# Altium PCB Dash Board (1).PcbDoc (part 2 of 2)
Units mil, origin at the board's own origin, x right, y up, seen from the top; angles counter-clockwise.
Board outline 5620.27 x 3065.15 mil, 4 copper layers (Top Layer, GND, Power, Bottom Layer), stack 29.356 mil thick; 93 components, 67 nets, 344 pads, 149 vias.
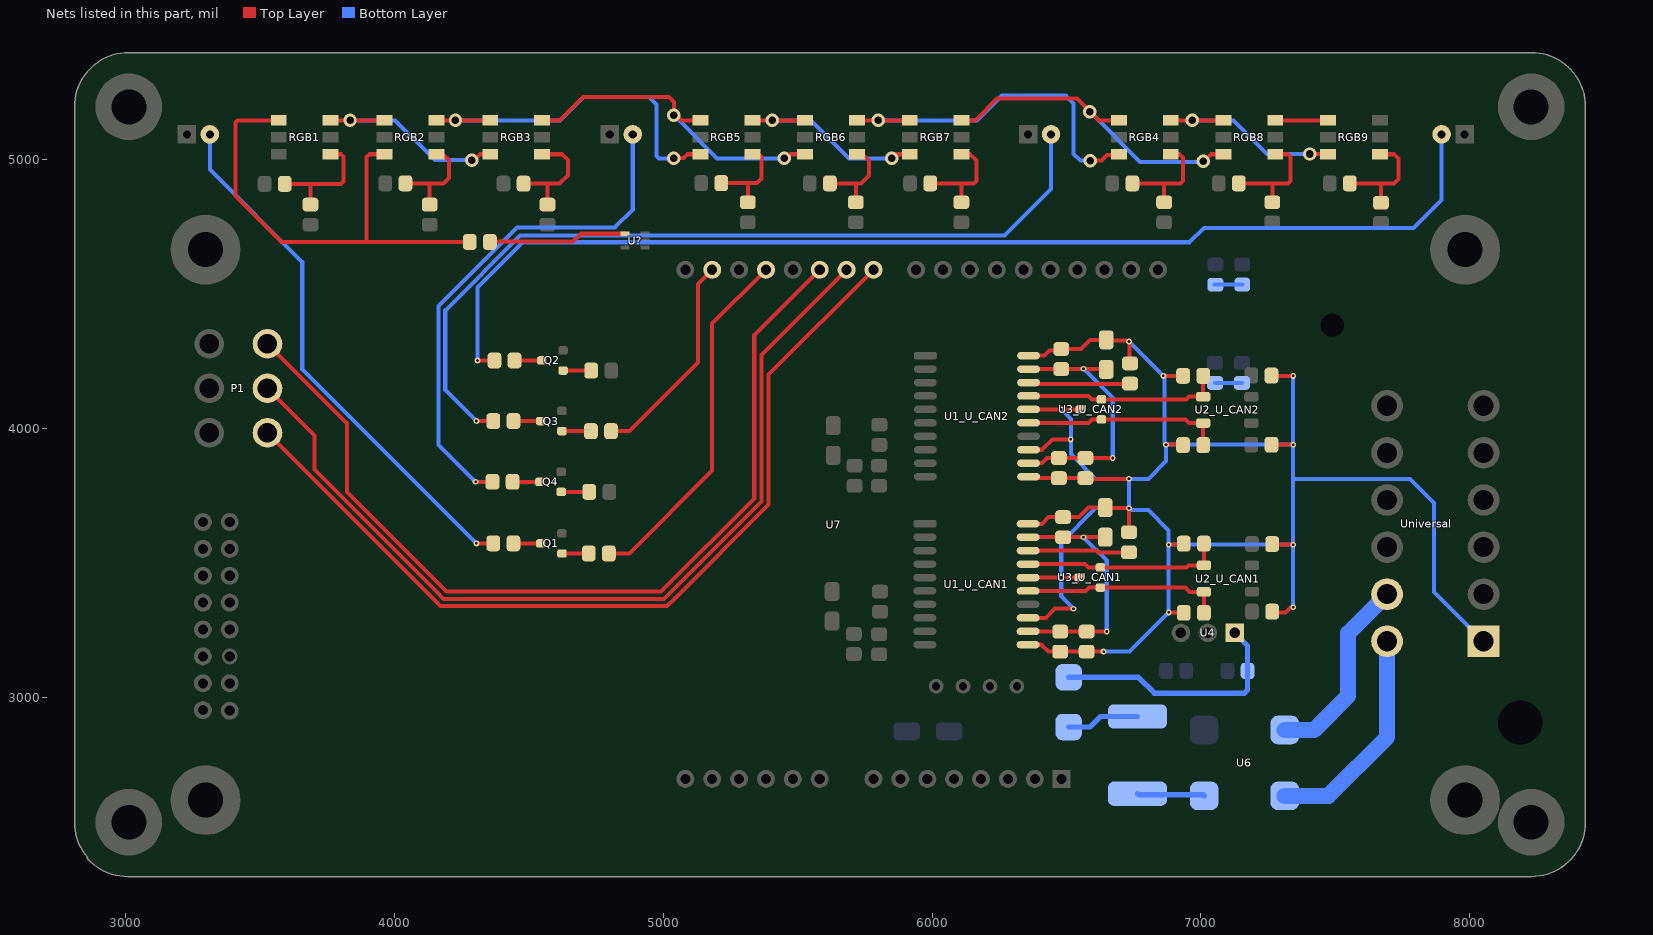
[diagram p4: the nets of this part, all layers, seen from the top]

## Via types
v1: diameter 21.65, hole 9.84, Top Layer to Bottom Layer, tented both sides, 103 vias
v2: diameter 50, hole 28, Top Layer to Bottom Layer, 46 vias

## Nets (pads, with @x,y where several pads share a name; then routed paths per layer and width w, separated by ;. In a path a pad name is that pad's centre, name@x,y a point inside that pad or via, vN(x,y) a via of type N, cw(c..) or ccw(c..) an arc to the next point about the centre after c; other vN are vias at no path point) (continued)
CANS: C3_U_CAN1.1 C3_U_CAN2.1 C4_U_CAN1.1 C4_U_CAN2.1 C5_U_CAN1.1 C5_U_CAN2.1 C6_U_CAN1.1 C6_U_CAN2.1 C9_U_CAN1.1 C9_U_CAN2.1 C10_U_CAN1.1 C10_U_CAN2.1 C11_U_CAN1.1 C11_U_CAN2.1 C12_U_CAN1.1 C12_U_CAN2.1 R1_U_CAN1.1 R1_U_CAN2.1 U1_U_CAN1.11 U1_U_CAN1.13 U1_U_CAN1.16 U1_U_CAN1.20 U1_U_CAN2.11 U1_U_CAN2.13 U1_U_CAN2.16 U1_U_CAN2.20 U3_U_CAN1.3 U3_U_CAN2.3 Universal.1 | length 8440
  Top Layer w15: U1_U_CAN1.13@6356.97,3295.8 6422.62,3295.8 6456.64,3329.82 v1(6525.59,3329.82) ; U1_U_CAN1.16@6356.97,3445.8 6357.05,3445.88 v1(6480.31,3445.88) 6547.16,3445.88 U3_U_CAN1.3@6547.24,3445.96 ; U1_U_CAN1.20@6356.97,3645.8 6408.5,3645.8 6433.3,3670.6 C3_U_CAN1.1@6487.35,3670.6 6547,3670.6 6582.44,3706.03 C4_U_CAN1.1@6643.7,3706.03 6644.8,3704.93 6731.18,3704.93 v1(6732.28,3703.84) R1_U_CAN1.1@6732.28,3614.36 ; U1_U_CAN1.11@6357.01,3195.8 6407.71,3195.8 6433.13,3170.37 6476.21,3170.37 C6_U_CAN1.1@6476.38,3170.21 ; U1_U_CAN2.11@6358.81,3821.15 6364.3,3815.66 C3_U_CAN2.1@6471.5,3815.66 C5_U_CAN2.1@6569.93,3815.66 6572.59,3813 v1(6732.28,3813) ; U1_U_CAN2.13@6358.78,3921.15 6408.84,3921.15 6447.43,3959.74 v1(6515.75,3959.74) ; U1_U_CAN2.16@6358.78,4071.15 v1(6480.31,4071.15) U3_U_CAN2.3@6551.18,4071.15 ; U1_U_CAN2.20@6358.78,4271.15 6417.87,4271.15 6437.07,4290.35 C6_U_CAN2.1@6474.72,4290.35 ; C6_U_CAN1.1@6469.57,3170.21 C6_U_CAN1.1@6476.38,3170.21 ; C6_U_CAN2.1@6480.31,4295.95 6553.54,4295.95 6587.51,4329.91 C4_U_CAN2.1@6647.64,4329.91 ; v1(6637.79,3170.21) C5_U_CAN1.1@6574.8,3170.21 C6_U_CAN1.1@6476.38,3170.21 ; C4_U_CAN2.1@6650.64,4326.91 6729.28,4326.91 v1(6732.28,4323.91) 6734.25,4321.95 6734.25,4244.19 R1_U_CAN2.1@6736.22,4242.22 ; v1(6860.24,4195.96) 6860.29,4196.02 6933.45,4196.02 C12_U_CAN2.1@6933.51,4196.08 ; v1(6870.08,3940.06) 6932.13,3940.06 C11_U_CAN2.1@6933.51,3938.68 ; v1(6879.92,3316.04) 6934.83,3316.04 C11_U_CAN1.1@6936.06,3314.81 ; v1(6879.92,3568.07) 6932,3568.07 C12_U_CAN1.1@6936.06,3572.13 ; C9_U_CAN2.1@7260.83,4204.02 C9_U_CAN2.1@7264.76,4200.09 ; C10_U_CAN2.1@7262.24,3939.92 7262.31,3939.99 7332.61,3939.99 v1@7332.68,3940.06 ; C9_U_CAN2.1@7262.24,4197.31 7263.9,4195.65 7332.37,4195.65 v1@7332.68,4195.96 ; C10_U_CAN1.1@7264.79,3318.88 7267.63,3316.04 7314.57,3316.04 7333.53,3335 v1(7343,3335) ; C9_U_CAN1.1@7264.79,3570.36 7266.95,3568.2 7332.55,3568.2 v1@7332.68,3568.07
  Bottom Layer w15: v1(6480.31,4071.15) 6515.75,4035.72 v1(6515.75,3959.74) 6515.75,3905.25 6608,3813 v1(6732.28,3813) ; v1(6525.59,3329.82) 6480.31,3375.1 v1(6480.31,3445.88) 6480.31,3575.56 6608.59,3703.84 v1(6732.28,3703.84) ; v1(6637.79,3170.21) 6734.09,3170.21 v1(6879.92,3316.04) v1(6879.92,3568.07) ; v1(6732.28,4323.91) v1(6860.24,4195.96) 6865.16,4191.04 6865.16,3944.98 v1(6870.08,3940.06) ; v1@7332.68,3940.06 v1(6870.08,3940.06) ; v1(7343,3335) v1(7343,3568.07) ; v1(7343,4195.96) v1(7343,3940.06) 7343,3813 ; Universal.1@8051.18,3208.66 7867,3392.84 7867,3723 7777,3813 7343,3813 ; v1(6732.28,3703.84) 6738.98,3697.14 6804,3697.14 6879.92,3621.22 v1(6879.92,3568.07) ; v1(6732.28,3703.84) v1(6732.28,3813) ; v1(6732.28,3813) 6804,3813 6870.08,3879.08 v1(6870.08,3940.06) ; v1(6879.92,3568.07) v1(7343,3568.07) ; v1(7343,3568.07) 7343,3813
"Enc Button": P1.4 U7.27 | length 3437.3
  Top Layer w15: P1.4@3527.56,4314.96 3822.83,4019.69 3822.83,3764.81 4194.23,3393.42 4992.32,3393.42 5338.38,3739.47 5338.38,4347.14 U7.27@5581.91,4590.68
"Enc Channel A": P1.6 U7.25 | length 3322.7
  Top Layer w15: P1.6@3527.56,3984.25 4172.02,3339.79 5014.53,3339.79 5041.63,3366.89 5392,3717.26 5392,4200.76 U7.25@5781.91,4590.68
"Enc Channel B": P1.5 U7.26 | length 3380
  Top Layer w15: P1.5@3527.56,4149.61 3702.76,3974.41 3702.76,3846.97 4153.68,3396.04 4183.12,3366.61 5003.43,3366.61 5032.86,3396.04 5365.19,3728.37 5365.19,4273.95 U7.26@5681.91,4590.68
GLV+: U6.1 Universal.12 | length 827.3
  Bottom Layer w60: U6.1@7311.81,2633.86 7474,2633.86 7692.13,2851.98 Universal.12@7692.13,3208.66
GLV-: U6.4 Universal.11 | length 726.4
  Bottom Layer w60: U6.4@7311.81,2878.74 7420.63,2878.74 7547.21,3005.32 7547.21,3238.94 Universal.11@7692.13,3383.86
IMD: R19.1 U7.31 | length 796
  Top Layer w15: R19.1@4805.61,3990.6 4873.93,3990.6 5128.29,4244.95 5128.29,4537.06 U7.31@5181.91,4590.68
"Net5V ACTIVE (ISO)_K": "5V ACTIVE (ISO).K" R12.2 | length 100.1
  Bottom Layer w15: R12.2@7049.68,4535.23 R12.2@7049.93,4535.48 ; R12.2@7053.87,4535.48 7153.62,4535.48
"Net5V ACTIVE_K": "5V ACTIVE.K" R11.2 | length 100
  Bottom Layer w15: R11.2@7052.34,4169.56 7152.34,4169.56
NetAMS1_K: AMS1.K R3.2 | length 1925.3
  Top Layer w15: v1(4301.75,3801.92) R3.2@4364.74,3801.92
  Bottom Layer w15: v1(4301.75,3801.92) 4164,3939.67 4164,4456 4455,4747 4819.42,4747 4886.42,4814 AMS1.K@4886.42,5094.49
NetBSPD1_K: BSPD1.K R14.2 | length 4299.9
  Top Layer w15: v1(4308.75,4253.21) R14.2@4371.74,4253.21
  Bottom Layer w15: v1(4308.75,4253.21) 4308.75,4524.4 4477.36,4693 6957.52,4693 7010.52,4746 7791,4746 7895.26,4850.26 BSPD1.K@7895.26,5094.49
NetC3_U_CAN1_2: C3_U_CAN1.2 C4_U_CAN1.2 C5_U_CAN1.2 C6_U_CAN1.2 U1_U_CAN1.12 U1_U_CAN1.19 | length 966.2
  Top Layer w15: U1_U_CAN1.12@6356.97,3245.8 6475.59,3245.8 C6_U_CAN1.2@6476.38,3245.01 C5_U_CAN1.2@6574.8,3245.01 6649.44,3245.01 v1(6649.57,3245.14) ; U1_U_CAN1.19@6356.97,3595.8 C3_U_CAN1.2@6487.35,3595.8 v1@6562.99,3595.8 ; v1(6562.99,3595.57) v1@6562.99,3595.8 ; C4_U_CAN1.2@6643.7,3595.8 v1@6562.99,3595.8
  Bottom Layer w15: v1(6562.99,3595.57) 6649.57,3508.99 v1(6649.57,3245.14)
NetC3_U_CAN2_2: C3_U_CAN2.2 C4_U_CAN2.2 C5_U_CAN2.2 C6_U_CAN2.2 U1_U_CAN2.12 U1_U_CAN2.19 | length 987.7
  Top Layer w15: U1_U_CAN2.12@6358.78,3871.15 6408.46,3871.15 6427.77,3890.46 C3_U_CAN2.2@6471.5,3890.46 C5_U_CAN2.2@6569.93,3890.46 v1(6671.86,3890.46) ; U1_U_CAN2.19@6358.78,4221.15 C6_U_CAN2.2@6480.31,4221.15 6562.99,4221.15 6646.16,4221.15 C4_U_CAN2.2@6647.64,4219.68
  Bottom Layer w15: v1(6562.99,4222.54) 6671.86,4113.66 v1(6671.86,3890.46)
NetC11_U_CAN1_2: C11_U_CAN1.2 U1_U_CAN1.15 U2_U_CAN1.4 U3_U_CAN1.1 | length 743.6
  Top Layer w15: U1_U_CAN1.15@6356.97,3395.8 6569.93,3395.8 6582.69,3408.56 6942.08,3408.56 6957.9,3392.73 U2_U_CAN1.4@7010.86,3392.73 C11_U_CAN1.2@7010.86,3314.81
NetC11_U_CAN2_2: C11_U_CAN2.2 U1_U_CAN2.15 U2_U_CAN2.4 U3_U_CAN2.1 | length 741.9
  Top Layer w15: U1_U_CAN2.15@6358.78,4021.15 6581.89,4021.15 6594.49,4033.75 U3_U_CAN2.1@6629.92,4033.75 6942.08,4033.75 6955.64,4020.18 U2_U_CAN2.4@7008.31,4020.18 C11_U_CAN2.2@7008.31,3938.68
NetC12_U_CAN1_2: C12_U_CAN1.2 U1_U_CAN1.17 U2_U_CAN1.3 U3_U_CAN1.2 | length 743.2
  Top Layer w15: U1_U_CAN1.17@6356.97,3495.8 6569.45,3495.8 6581.89,3483.36 U3_U_CAN1.2@6625.98,3483.36 6945.97,3483.36 6953.76,3491.16 U2_U_CAN1.3@7010.86,3491.16 C12_U_CAN1.2@7010.86,3572.13
NetC12_U_CAN2_2: C12_U_CAN2.2 U1_U_CAN2.17 U2_U_CAN2.3 U3_U_CAN2.2 | length 736.4
  Top Layer w15: U1_U_CAN2.17@6358.78,4121.15 6581.89,4121.15 6594.49,4108.55 U3_U_CAN2.2@6629.92,4108.55 6945.29,4108.55 6955.35,4118.61 U2_U_CAN2.3@7008.31,4118.61 C12_U_CAN2.2@7008.31,4196.08
NetC13_2: C13.2 R5.1 RGB1.1 | length 442.5
  Top Layer w15: C13.2@3591.7,4909.97 3687.6,4909.97 ; R5.1@3687.6,4833.15 3687.6,4909.97 ; RGB1.1@3762.58,5020.31 3801.18,5020.31 3809.97,5011.53 3809.97,4918.76 3801.18,4909.97 3687.6,4909.97
NetC14_1: C14.1 R6.1 RGB2.1 | length 370.5
  Top Layer w15: C14.1@4040.87,4912.03 4131.1,4912.03 ; R6.1@4131.1,4833.15 4131.1,4912.03 ; RGB2.1@4155.89,5020.31 4181.28,5020.31 4202.26,4999.34 4202.26,4932.77 4181.51,4912.03 4131.1,4912.03
NetC15_1: C15.1 R7.1 RGB3.1 | length 416.5
  Top Layer w15: C15.1@4480.42,4911 4569.12,4911 ; RGB3.1@4549.2,5020.31 4623.06,5020.31 4644.78,4998.6 4644.78,4941.56 4614.21,4911 4569.12,4911 ; R7.1@4569.12,4833.15 4569.12,4911
NetC16_1: C16.1 R8.1 RGB5.1 | length 345.8
  Top Layer w15: C16.1@5215.87,4913.03 5314.35,4913.03 ; R8.1@5314.35,4841.87 5314.35,4913.03 ; RGB5.1@5331.48,5020.31 5355.87,5020.31 5364.66,5011.53 5364.66,4929.24 5348.45,4913.03 5314.35,4913.03
NetC17_1: C17.1 R9.1 RGB6.1 | length 338.3
  Top Layer w15: C17.1@5619.79,4912.03 5715.97,4912.03 ; R9.1@5715.97,4841.87 5715.97,4912.03 ; RGB6.1@5720.46,5020.31 5741.75,5020.31 5765.69,4996.37 5765.69,4941.56 5736.16,4912.03 5715.97,4912.03
NetC18_1: C18.1 R10.1 RGB7.1 | length 385.3
  Top Layer w15: C18.1@5992.87,4912.03 6108.6,4912.03 ; R10.1@6108.6,4841.87 6108.6,4912.03 ; RGB7.1@6109.63,5020.31 6140.51,5020.31 6164.17,4996.65 6164.17,4920.82 6155.39,4912.03 6108.6,4912.03
NetC19_1: C19.1 R15.1 RGB4.1 | length 400.5
  Top Layer w15: C19.1@6744.92,4912.03 6863.14,4912.03 ; R15.1@6863.14,4841.87 6863.14,4912.03 ; RGB4.1@6887.38,5020.31 6920.71,5020.31 6933.51,5007.52 6933.51,4920.82 6924.72,4912.03 6863.14,4912.03
NetC20_1: C20.1 R16.1 RGB8.1 | length 415.9
  Top Layer w15: C20.1@7140.82,4912.03 7265.3,4912.03 ; R16.1@7265.3,4841.87 7265.3,4912.03 ; RGB8.1@7276.36,5020.31 7323.67,5020.31 7332.46,5011.53 7332.46,4920.82 7323.67,4912.03 7265.3,4912.03
NetC21_1: C21.1 R17.1 RGB9.1 | length 404.6
  Top Layer w15: C21.1@7553.81,4912.03 7669.43,4912.03 ; R17.1@7669.43,4839.89 7669.43,4912.03 ; RGB9.1@7670.46,5020.31 7717.71,5020.31 7733.88,5004.14 7733.88,4928.77 7717.15,4912.03 7669.43,4912.03
NetC22_2: C22.2 D1.K U4.1 | length 927.4
  Bottom Layer w20: D1.K@6507.87,3074.8 6767.72,3074.8 6826.87,3015.65 7161.51,3015.65 7173.23,3027.37 7173.23,3192.13 U4.1@7125.2,3240.16
NetD1_A: D1.A F1.2 | length 272.2
  Bottom Layer w20: D1.A@6507.87,2889.76 6586.61,2889.76 6625.98,2929.13 F1.2@6763.78,2929.13
NetF1_1: F1.1 U6.2 | length 251.3
  Bottom Layer w20: F1.1@6763.78,2641.73 6767.72,2637.8 7007.87,2637.8 U6.2@7011.81,2633.86
NetIMD_K: IMD.K R2.2 | length 3166.4
  Top Layer w15: v1(4304.75,4028) R2.2@4367.74,4028
  Bottom Layer w15: v1(4304.75,4028) 4189,4143.75 4189,4440 4467,4718 6269,4718 6442.32,4891.32 IMD.K@6442.32,5094.49
NetPDOC_K: PDOC.K R13.2 | length 1995.3
  Top Layer w15: v1(4304.75,3572.88) R13.2@4367.74,3572.88
  Bottom Layer w15: PDOC.K@3313.18,5094.49 3313.18,4963.82 3657,4620 3657,4220.63 v1(4304.75,3572.88)
NetQ1_B: Q1.B R4.2 | length 99.7
  Top Layer w15: Q1.B@4623.06,3535.25 R4.2@4722.78,3535.25
NetQ1_C: Q1.C R13.1 | length 101.9
  Top Layer w15: R13.1@4442.54,3572.88 4442.66,3572.77 4544.2,3572.77 Q1.C@4544.32,3572.65
NetQ2_B: Q2.B R18.2 | length 104.6
  Top Layer w15: Q2.B@4627.06,4215.81 R18.2@4731.62,4215.81
NetQ2_C: Q2.C R14.1 | length 101.8
  Top Layer w15: R14.1@4446.54,4253.21 Q2.C@4548.32,4253.21
NetQ3_B: Q3.B R19.2 | length 107.7
  Top Layer w15: Q3.B@4623.06,3990.6 R19.2@4730.81,3990.6
NetQ3_C: Q3.C R2.1 | length 101.8
  Top Layer w15: R2.1@4442.54,4028 Q3.C@4544.32,4028
NetQ4_B: Q4.B R20.2 | length 104.6
  Top Layer w15: Q4.B@4620.06,3764.52 R20.2@4724.62,3764.52
NetQ4_C: Q4.C R3.1 | length 101.8
  Top Layer w15: R3.1@4439.54,3801.92 Q4.C@4541.32,3801.92
NetR1_U_CAN1_2: R1_U_CAN1.2 U1_U_CAN1.18 | length 377.9
  Top Layer w15: U1_U_CAN1.18@6356.97,3545.8 6611.47,3545.8 6617.71,3539.56 R1_U_CAN1.2@6732.28,3539.56
NetR1_U_CAN2_2: R1_U_CAN2.2 U1_U_CAN2.18 | length 382.5
  Top Layer w15: U1_U_CAN2.18@6358.78,4171.15 6362.51,4167.42 6362.51,4164.93 6733.74,4164.93 R1_U_CAN2.2@6736.22,4167.42
NetR22_1: R22.1 U?.4 | length 513.8
  Top Layer w15: R22.1@4356.06,4695.06 4664.7,4695.06 4694.23,4724.59 U?.4@4857.6,4724.59
NetR22_2: R22.2 RGB1.4 RGB2.6 | length 1755.9
  Top Layer w15: RGB1.4@3569.67,5146.3 3416.79,5146.3 3408,5137.51 3408,4865.3 3579.27,4694.03 3896,4694.03 ; RGB2.6@3951.24,5020.31 3906.72,5020.31 3896,5009.6 3896,4694.03 ; R22.2@4280.23,4694.03 3896,4694.03
NetRGB1_3: RGB1.3 RGB2.4 RGB3.6 | length 780.4
  Top Layer w15: RGB1.3@3762.58,5146.3 v2(3834.7,5146.3) RGB2.4@3951.24,5146.3 ; v2(4287,4998.6) 4296.47,4998.6 4318.19,5020.31 RGB3.6@4356.28,5020.31
  Bottom Layer w15: v2(3834.7,5146.3) 4002.59,5146.3 4150.29,4998.6 v2(4287,4998.6)
NetRGB2_3: RGB2.3 RGB3.4 RGB5.6 | length 1360.3
  Top Layer w15: RGB2.3@4155.89,5146.3 v2(4227,5146.3) RGB3.4@4356.28,5146.3 ; v2@5039,5005.81 5075.37,5005.81 5089.87,5020.31 RGB5.6@5138.57,5020.31
  Bottom Layer w15: v2(4227,5146.3) 4616.3,5146.3 4703,5233 4947,5233 4975,5205 4975,5013.79 4983.79,5005 v2(5039,5005)
NetRGB3_3: RGB3.3 RGB5.4 RGB6.6 | length 1244.2
  Top Layer w15: RGB3.3@4549.2,5146.3 4614.3,5146.3 4701,5233 5021,5233 5039,5215 v2(5039,5165.98) 5048.47,5165.98 5068.16,5146.3 RGB5.4@5138.57,5146.3 ; v2(5450.42,5005) 5457.92,5005 5473.23,5020.31 RGB6.6@5520.29,5020.31
  Bottom Layer w15: v2(5039,5165.98) 5199.98,5005 v2(5450.42,5005)
NetRGB4_3: RGB4.3 RGB8.4 RGB9.6 | length 742.8
  Top Layer w15: RGB4.3@6887.38,5146.3 RGB8.4@7073.42,5146.3 ; v2(7405.38,5021.26) 7405.85,5020.79 7471.95,5020.79 RGB9.6@7472.42,5020.31
  Bottom Layer w15: v2(6967.81,5146.3) 7120.58,5146.3 7245.62,5021.26 v2(7405.38,5021.26)
NetRGB4_4: RGB4.4 RGB7.3 RGB8.6 | length 1212.9
  Top Layer w15: RGB7.3@6109.63,5146.3 6161.3,5146.3 6242,5227 6538.24,5227 v2(6586.66,5178.58) 6618.94,5146.3 RGB4.4@6669.29,5146.3 ; v2(7007.87,4995) 7011.68,4995 7036.99,5020.31 RGB8.6@7083.44,5020.31
  Bottom Layer w15: v2(6586.66,5178.58) 6773.89,4991.35 7004.22,4991.35 v2(7007.87,4995)
NetRGB4_6: RGB4.6 RGB6.3 RGB7.4 | length 1348
  Top Layer w15: RGB6.3@5720.46,5146.3 v2(5800.2,5146.3) RGB7.4@5916.52,5146.3 RGB7.4@5916.72,5146.3 ; v2(6588.22,4996.65) 6629.88,4996.65 6651.23,5018 6692.15,5018 RGB4.6@6694.47,5020.31
  Bottom Layer w15: v2(5800.2,5146.3) 6167.3,5146.3 6259,5238 6497,5238 6526,5209 6526,5021.79 6551.09,4996.7 v2(6588.22,4996.65) v2(6588.22,4996.65)
NetRGB5_3: RGB5.3 RGB6.4 RGB7.6 | length 764.8
  Top Layer w15: RGB5.3@5331.48,5146.3 v2(5405.58,5146.3) RGB6.4@5520.29,5146.3 ; v2(5850.42,5005) 5854,5005 5869.32,5020.31 RGB7.6@5916.52,5020.31 RGB7.6@5916.72,5020.31
  Bottom Layer w15: v2(5405.58,5146.3) 5548.73,5146.3 5690.03,5005 v2(5850.42,5005)
NetRGB8_3: RGB8.3 RGB9.4 | length 196.1
  Top Layer w15: RGB8.3@7276.36,5146.3 RGB9.4@7472.42,5146.3
PDOC: R4.1 U7.29 | length 1342.2
  Top Layer w15: R4.1@4797.58,3535.25 4873.93,3535.25 5181.91,3843.23 5181.91,4390.68 U7.29@5381.91,4590.68
pads on no net: P1.2 U1_U_CAN1.2 U1_U_CAN1.14 U1_U_CAN2.2 U1_U_CAN2.14 U7.0 U7.1 U7.2 U7.3 U7.4 U7.7 U7.9 U7.10 U7.11 U7.12 U7.13 U7.14 U7.17 U7.18 U7.19 U7.21 U7.22 U7.23 U7.24 U7.28 U7.33 U7.34 U7.35 U7.36 U7.38 U7.39 U7.40 U7.41 U7.42 U7.43 U7.45 U7.46 U7.47 U7.48 U?.1 Universal. Universal.2 Universal.3 Universal.5@8188.07,2906.66 Universal.8 Universal.9 Universal.10

## Polygon pours and split planes (outlines as drawn)
no net on Bottom Layer "NONET_L04_P006" (solid, pour order 6): 6568,2354 3011.81,2353 2875,2417 2830,2522 2831,5199 2891,5333 3011,5380 8227,5377 8352,5330 8409.74,5212.56 8407,4405 6310,4403 6242.49,4403 ccw(c6242.49,4303) 6142.49,4303 6142.49,2871 ccw(c6242.49,2871) 6242.49,2771 6495,2771 cw(c6495,2696) 6570,2696 6570,2354
no net on Bottom Layer "NONET_L04_P007" (solid, pour order 7): 8409.74,4361.31 8409.74,2535.43 8366,2420 8228.43,2354 6612.84,2354 6610.41,2696.85 6610.41,2715.61 ccw(c6510.41,2715.61) 6510.41,2815.61 6258.25,2815.61 cw(c6258.25,2887.07) 6186.79,2887.07 6186.79,4261.31 cw(c6286.79,4261.31) 6286.79,4361.31
no net on Top Layer "NONET_L01_P005" (solid, pour order 5): 3011.81,2354 2876,2417 2830,2522.15 2831,5198 2901,5339 3011,5380 8228.26,5377.65 8353,5330 8409.9,5212.56 8411,4405 6310,4404 6242.49,4404 ccw(c6242.49,4304) 6142.49,4304 6142.49,2871.26 ccw(c6242.49,2871.26) 6242.49,2771.26 6487.35,2771.26 cw(c6487.35,2686.29) 6572.32,2686.29 6572.32,2354
0V on Top Layer "0V_L01_P003" (solid, pour order 3): 6613,2354 8222.09,2354 ccw(c8222.09,2541.82) 8409.9,2541.82 8409.9,4361.31 6299,4361.31 ccw(c6310.2,4236.17) 6186.95,4260.61 6186.95,2893.18 ccw(c6264.52,2893.18) 6264.52,2815.61 6480,2815.61 cw(c6480.18,2685.22) 6610.57,2685.21 6610.57,2507
"5V (ISO)" on Power (split plane): 178 vertices, not listed, extent 2829.97,2353.59 8410.12,5378.69
5V on Power (split plane): 6309.97,4362.78 8410.12,4362.78 8410.12,2535.43 8410.19,2534.72 8409.82,2523.54 8408.65,2511.7 8406.72,2499.95 8404.01,2488.36 8400.56,2476.98 8396.37,2465.84 8391.45,2455 8385.84,2444.5 8379.56,2434.4 8372.63,2424.72 8365.08,2415.52 8356.94,2406.84 8348.26,2398.7 8339.06,2391.15 8329.38,2384.22 8319.28,2377.93 8308.78,2372.32 8297.94,2367.41 8286.8,2363.22 8275.42,2359.77 8263.83,2357.06 8252.08,2355.13 8240.24,2353.96 8229.13,2353.6 8228.43,2353.66 8228.38,2353.66 8228.35,2353.66 8228.35,2354.91 8228.09,2354.8 8228.11,2353.66 6612.55,2353.66 6612.55,2691.34 6612.54,2691.41 6612.17,2700.76 6611.07,2710.13 6609.23,2719.37 6606.67,2728.45 6603.4,2737.3 6599.46,2745.86 6594.85,2754.09 6589.61,2761.93 6583.77,2769.33 6577.37,2776.26 6570.45,2782.66 6563.04,2788.5 6555.2,2793.73 6546.97,2798.34 6538.41,2802.29 6529.56,2805.55 6520.49,2808.11 6511.24,2809.95 6501.87,2811.06 6492.52,2811.43 6492.45,2811.44 6266.27,2811.44 6265.64,2811.37 6258.43,2811.73 6250.66,2812.88 6243.05,2814.79 6235.66,2817.43 6228.56,2820.79 6221.83,2824.82 6215.52,2829.5 6209.71,2834.77 6204.43,2840.59 6199.76,2846.89 6195.72,2853.63 6192.36,2860.73 6189.72,2868.12 6187.81,2875.73 6186.66,2883.5 6186.31,2890.71 6186.37,2891.34 6186.37,3005.49 6186.37,4239.17 6185.98,4243.09 6185.54,4244.55 6185.68,4247.97 6186.83,4257.69 6188.74,4267.3 6191.39,4276.72 6194.78,4285.9 6198.88,4294.79 6203.66,4303.33 6209.1,4311.47 6215.16,4319.16 6221.81,4326.35 6229,4333 6236.69,4339.06 6244.83,4344.5 6253.37,4349.28 6262.26,4353.38 6271.44,4356.77 6280.87,4359.43 6290.47,4361.34 6300.19,4362.49 6309.3,4362.84
"0V (ISO)" on GND (split plane): 178 vertices, not listed, extent 2829.97,2353.59 8410.12,5378.69
0V on GND (split plane): 6310.04,4362.78 8410.12,4362.78 8410.12,2535.43 8410.19,2534.72 8409.82,2523.54 8408.65,2511.7 8406.72,2499.95 8404.01,2488.36 8400.56,2476.98 8396.37,2465.84 8391.45,2455 8385.84,2444.5 8379.56,2434.4 8372.63,2424.72 8365.08,2415.52 8356.94,2406.84 8348.26,2398.7 8339.06,2391.15 8329.38,2384.22 8319.28,2377.93 8308.78,2372.32 8297.94,2367.41 8286.8,2363.22 8275.42,2359.77 8263.83,2357.06 8252.08,2355.13 8240.24,2353.96 8229.13,2353.6 8228.43,2353.66 8228.38,2353.66 8228.35,2353.66 8228.35,2354.91 8228.09,2354.8 8228.11,2353.66 6612.62,2353.66 6612.62,2691.34 6612.61,2691.41 6612.24,2700.76 6611.13,2710.13 6609.29,2719.37 6606.73,2728.45 6603.47,2737.3 6599.52,2745.86 6594.92,2754.09 6589.68,2761.93 6583.84,2769.33 6577.44,2776.26 6570.51,2782.66 6563.11,2788.5 6555.27,2793.73 6547.04,2798.34 6538.48,2802.29 6529.63,2805.55 6520.55,2808.11 6511.31,2809.95 6501.94,2811.06 6492.59,2811.43 6492.52,2811.44 6266.34,2811.44 6265.71,2811.37 6258.5,2811.73 6250.73,2812.88 6243.12,2814.79 6235.73,2817.43 6228.63,2820.79 6221.9,2824.82 6215.59,2829.5 6209.77,2834.77 6204.5,2840.59 6199.82,2846.89 6195.79,2853.63 6192.43,2860.73 6189.79,2868.12 6187.88,2875.73 6186.73,2883.5 6186.37,2890.71 6186.44,2891.34 6186.44,3005.49 6186.44,4239.17 6186.05,4243.09 6185.61,4244.55 6185.74,4247.97 6186.89,4257.69 6188.8,4267.3 6191.46,4276.72 6194.85,4285.9 6198.95,4294.79 6203.73,4303.33 6209.17,4311.47 6215.23,4319.16 6221.88,4326.35 6229.07,4333 6236.75,4339.06 6244.89,4344.5 6253.44,4349.28 6262.33,4353.38 6271.51,4356.77 6280.93,4359.43 6290.53,4361.34 6300.26,4362.49 6309.37,4362.84

## Keep-outs
Keep-Out Layer:
  lines w10: 2814.96,2522.15 2814.96,5196.85 cw(c3011.81,5196.85) 3011.81,5393.7 8228.35,5393.7 cw(c8228.35,5196.85) 8425.2,5196.85 ; 2814.96,2535.43 ccw(c3011.81,2535.43) 3011.81,2338.58 8228.35,2338.58 ; 2862.93,2402.24 ccw(c3007.87,2535.43) 3007.87,2338.58 ; 8373.29,2402.24 cw(c8228.35,2535.43) 8228.35,2338.58 ; 8425.2,5210.16 8425.2,2535.43 cw(c8228.35,2535.43) 8228.35,2338.58

## Other copper
GND (plane layer: these items are gaps in the copper):
  rectangle: 3583.66,2551.18 3947.83,2741.14
  lines w40: 6165.35,4235.24 6165.35,4238.19 cw(c6310.04,4238.19) 6310.04,4382.87 8549.28,4382.87 ; 6166.34,4239.17 6166.34,3005.49 6166.34,2891.34 ccw(c6266.34,2891.34) 6266.34,2791.34 6479.33,2791.34 6492.52,2791.34 cw(c6492.52,2691.34) 6592.52,2691.34 6592.52,2304.13
Power (plane layer: these items are gaps in the copper):
  rectangle: 3583.66,2552.17 3947.83,2741.14
  lines w40: 6165.29,4235.24 6165.29,4238.19 cw(c6309.97,4238.19) 6309.97,4382.87 8549.21,4382.87 ; 6166.27,4239.17 6166.27,3005.49 6166.27,2891.34 ccw(c6266.27,2891.34) 6266.27,2791.34 6479.26,2791.34 6492.45,2791.34 cw(c6492.45,2691.34) 6592.45,2691.34 6592.45,2304.13

## Silkscreen, mask and mechanical layers (free items; w line width, h text height)
Top Overlay:
  drawing of 20 lines, arcs and shapes, not listed
  text "CAN2" at 6274,4057.98 h60 r90
  text "CAN1" at 6274,3452 h60 r90
  text "Team Swinburne" at 3985.53,2673.94 h120
  text "Formula SAE" at 4426.19,2618.96 h70
  text "Dash Board R0" at 4613.23,2584.03 h40
  text "09/11/2020 - T.B." at 4586.3,2547.03 h40
Bottom Overlay:
  drawing of 20 lines, arcs and shapes, not listed
  text "Team Swinburne" at 4789.88,2673.92 h120
  text "Formula SAE" at 4789.89,2618.94 h70
  text "Dash Board R0" at 4823.36,2584.01 h40
  text "09/11/2020 - T.B." at 4854.93,2547.01 h40
Drill Drawing:
  circle w10: c573.62,6793.83 r33.33
  lines w10: 540.29,6193.83 573.62,6160.5 606.96,6193.83 573.62,6227.17 540.29,6193.83 ; 540.29,6377.17 606.96,6377.17 573.62,6310.5 540.29,6377.17 ; 540.29,6460.5 606.96,6460.5 606.96,6527.17 540.29,6527.17 540.29,6460.5 ; 540.29,6627.17 556.96,6627.17 573.62,6610.5 590.29,6627.17 606.96,6627.17 590.29,6643.83 606.96,6660.5 590.29,6660.5 573.62,6677.17 556.96,6660.5 540.29,6660.5 556.96,6643.83 540.29,6627.17 ; 540.29,6910.5 606.96,6910.5 606.96,6977.17 540.29,6977.17 540.29,6910.5 ; 540.29,7127.17 606.96,7127.17 573.62,7060.5 540.29,7127.17 ; 540.29,7210.5 573.62,7227.17 606.96,7210.5 590.29,7243.83 606.96,7277.17 573.62,7260.5 540.29,7277.17 556.96,7243.83 540.29,7210.5 ; 540.29,7360.5 540.29,7377.17 556.96,7393.83 540.29,7410.5 540.29,7427.17 556.96,7427.17 573.62,7410.5 590.29,7427.17 606.96,7427.17 606.96,7410.5 590.29,7393.83 606.96,7377.17 606.96,7360.5 590.29,7360.5 573.62,7377.17 556.96,7360.5 540.29,7360.5 ; 540.29,7527.17 556.96,7527.17 556.96,7510.5 590.29,7510.5 590.29,7527.17 606.96,7527.17 606.96,7560.5 590.29,7560.5 590.29,7577.17 556.96,7577.17 556.96,7560.5 540.29,7560.5 540.29,7527.17 ; 553.62,6473.83 593.62,6473.83 593.62,6513.83 553.62,6513.83 553.62,6473.83 ; 553.62,7113.83 593.62,7113.83 573.62,7073.83 553.62,7113.83
  lines w15: 480.5,6115.5 11271.5,6115.5 ; 480.5,7615.5 11271.5,7615.5 ; 1031.38,5965.5 1031.38,7765.5 ; 1631.22,5965.5 1631.22,7765.5 ; 2780.88,5965.5 2780.88,7765.5 ; 3286.76,5965.5 3286.76,7765.5 ; 4020.56,5965.5 4020.56,7765.5 ; 5520.11,5965.5 5520.11,7765.5 ; 6109.96,5965.5 6109.96,7765.5 ; 6855.76,5965.5 6855.76,7765.5 ; 7705.52,5965.5 7705.52,7765.5 ; 8559.28,5965.5 8559.28,7765.5 ; 9892.89,5965.5 9892.89,7765.5 ; 480.5,5965.5 11271.5,5965.5 11271.5,7765.5 480.5,7765.5 480.5,5965.5
  text "Symbol" at 570.5,7660.5 h72
  text "Count" at 1076.38,7660.5 h72
  text "Hole Size" at 1676.22,7660.5 h72
  text "Plated" at 2825.88,7660.5 h72
  text "Hole Type" at 3331.76,7660.5 h72
  text "Drill Layer Pair" at 4065.56,7660.5 h72
  text "Via/Pad" at 5565.11,7660.5 h72
  text "Pad Shape" at 6154.96,7660.5 h72
  text "Template" at 6900.76,7660.5 h72
  text "Description" at 7750.52,7660.5 h72
  text "Hole Tolerance (+)" at 8604.28,7660.5 h72
  text "Hole Tolerance (-)" at 9937.89,7660.5 h72
  text "1" at 1076.38,7510.5 h60
  text "2.200mm (86.61mil)" at 1676.22,7510.5 h60
  text "NPTH" at 2825.88,7510.5 h60
  text "Round" at 3331.76,7510.5 h60
  text "Top Layer - Bottom Layer" at 4065.56,7510.5 h60
  text "Pad" at 5565.11,7510.5 h60
  text "Rounded" at 6154.96,7510.5 h60
  text "c152hn220m152" at 6900.76,7510.5 h60
  text "1" at 1076.38,7360.5 h60
  text "4.200mm (165.35mil)" at 1676.22,7360.5 h60
  text "NPTH" at 2825.88,7360.5 h60
  text "Round" at 3331.76,7360.5 h60
  text "Top Layer - Bottom Layer" at 4065.56,7360.5 h60
  text "Pad" at 5565.11,7360.5 h60
  text "Rounded" at 6154.96,7360.5 h60
  text "c152hn420m152" at 6900.76,7360.5 h60
  text "3" at 1076.38,7210.5 h60
  text "1.000mm (39.37mil)" at 1676.22,7210.5 h60
  text "PTH" at 2825.88,7210.5 h60
  text "Round" at 3331.76,7210.5 h60
  text "Top Layer - Bottom Layer" at 4065.56,7210.5 h60
  text "Pad" at 5565.11,7210.5 h60
  text "(Mixed)" at 6154.96,7210.5 h60
  text "(Mixed)" at 6900.76,7210.5 h60
  text "6" at 1076.38,7060.5 h60
  text "1.850mm (72.84mil)" at 1676.22,7060.5 h60
  text "PTH" at 2825.88,7060.5 h60
  text "Round" at 3331.76,7060.5 h60
  text "Top Layer - Bottom Layer" at 4065.56,7060.5 h60
  text "Pad" at 5565.11,7060.5 h60
  text "Rounded" at 6154.96,7060.5 h60
  text "c280h185" at 6900.76,7060.5 h60
  text "8" at 1076.38,6910.5 h60
  text "3.300mm (129.92mil)" at 1676.22,6910.5 h60
  text "PTH" at 2825.88,6910.5 h60
  text "Round" at 3331.76,6910.5 h60
  text "Top Layer - Bottom Layer" at 4065.56,6910.5 h60
  text "Pad" at 5565.11,6910.5 h60
  text "Rounded" at 6154.96,6910.5 h60
  text "(Mixed)" at 6900.76,6910.5 h60
  text "12" at 1076.38,6760.5 h60
  text "0.762mm (30.00mil)" at 1676.22,6760.5 h60
  text "PTH" at 2825.88,6760.5 h60
  text "Round" at 3331.76,6760.5 h60
  text "Top Layer - Bottom Layer" at 4065.56,6760.5 h60
  text "Pad" at 5565.11,6760.5 h60
  text "(Mixed)" at 6154.96,6760.5 h60
  text "(Mixed)" at 6900.76,6760.5 h60
  text "12" at 1076.38,6610.5 h60
  text "1.900mm (74.80mil)" at 1676.22,6610.5 h60
  text "PTH" at 2825.88,6610.5 h60
  text "Round" at 3331.76,6610.5 h60
  text "Top Layer - Bottom Layer" at 4065.56,6610.5 h60
  text "Pad" at 5565.11,6610.5 h60
  text "(Mixed)" at 6154.96,6610.5 h60
  text "(Mixed)" at 6900.76,6610.5 h60
  text "46" at 1076.38,6460.5 h60
  text "0.711mm (28.00mil)" at 1676.22,6460.5 h60
  text "PTH" at 2825.88,6460.5 h60
  text "Round" at 3331.76,6460.5 h60
  text "Top Layer - Bottom Layer" at 4065.56,6460.5 h60
  text "Via" at 5565.11,6460.5 h60
  text "Rounded" at 6154.96,6460.5 h60
  text "v127h71" at 6900.76,6460.5 h60
  text "48" at 1076.38,6310.5 h60
  text "0.950mm (37.40mil)" at 1676.22,6310.5 h60
  text "PTH" at 2825.88,6310.5 h60
  text "Round" at 3331.76,6310.5 h60
  text "Top Layer - Bottom Layer" at 4065.56,6310.5 h60
  text "Pad" at 5565.11,6310.5 h60
  text "(Mixed)" at 6154.96,6310.5 h60
  text "(Mixed)" at 6900.76,6310.5 h60
  text "103" at 1076.38,6160.5 h60
  text "0.250mm (9.84mil)" at 1676.22,6160.5 h60
  text "PTH" at 2825.88,6160.5 h60
  text "Round" at 3331.76,6160.5 h60
  text "Top Layer - Bottom Layer" at 4065.56,6160.5 h60
  text "Via" at 5565.11,6160.5 h60
  text "Rounded" at 6154.96,6160.5 h60
  text "v55h25m0mx0" at 6900.76,6160.5 h60
  text "240 Total" at 1076.38,6010.5 h60
  text "FABRICATION NOTES" at 9301.05,4840.28 h118.11
  text "1. QUANTITY: 5" at 9301.05,4639.64 h118.11
  text "2. SIZE:" at 9301.05,4438.99 h118.11
  text "3. LAYERS: 4" at 9301.05,4238.34 h118.11
  text "4. SIGNAL LAYERS: 1,4" at 9301.05,4077.05 h118.11
  text "a) WEIGHT: 1oz" at 9497.9,3837.05 h118.11
  text "5. SOLDER MASKS: Blue" at 9301.05,3589.44 h118.11
  text "6. SILKSCREEN: White" at 9301.05,3388.8 h118.11
  text "7. SURFACE FINISH: HASL (With Lead)" at 9301.05,3188.15 h118.11
  text "8. FINISHED COPPER: 2oz Cu" at 9301.05,2987.51 h118.11
  text "9. TOTAL THICKNESS: 1.6mm" at 9301.05,2786.86 h118.11

## Dimensions
3011.81,5393.7 to 3011.81,2338.58 on Drill Drawing
2814.96,5196.85 to 8425.2,5210.16 on Drill Drawing